# Altium PCB S7CAS-PLEIADES-CARTE-MERE_P07 - BACKUP.PcbDoc (part 1 of 3) (continued)
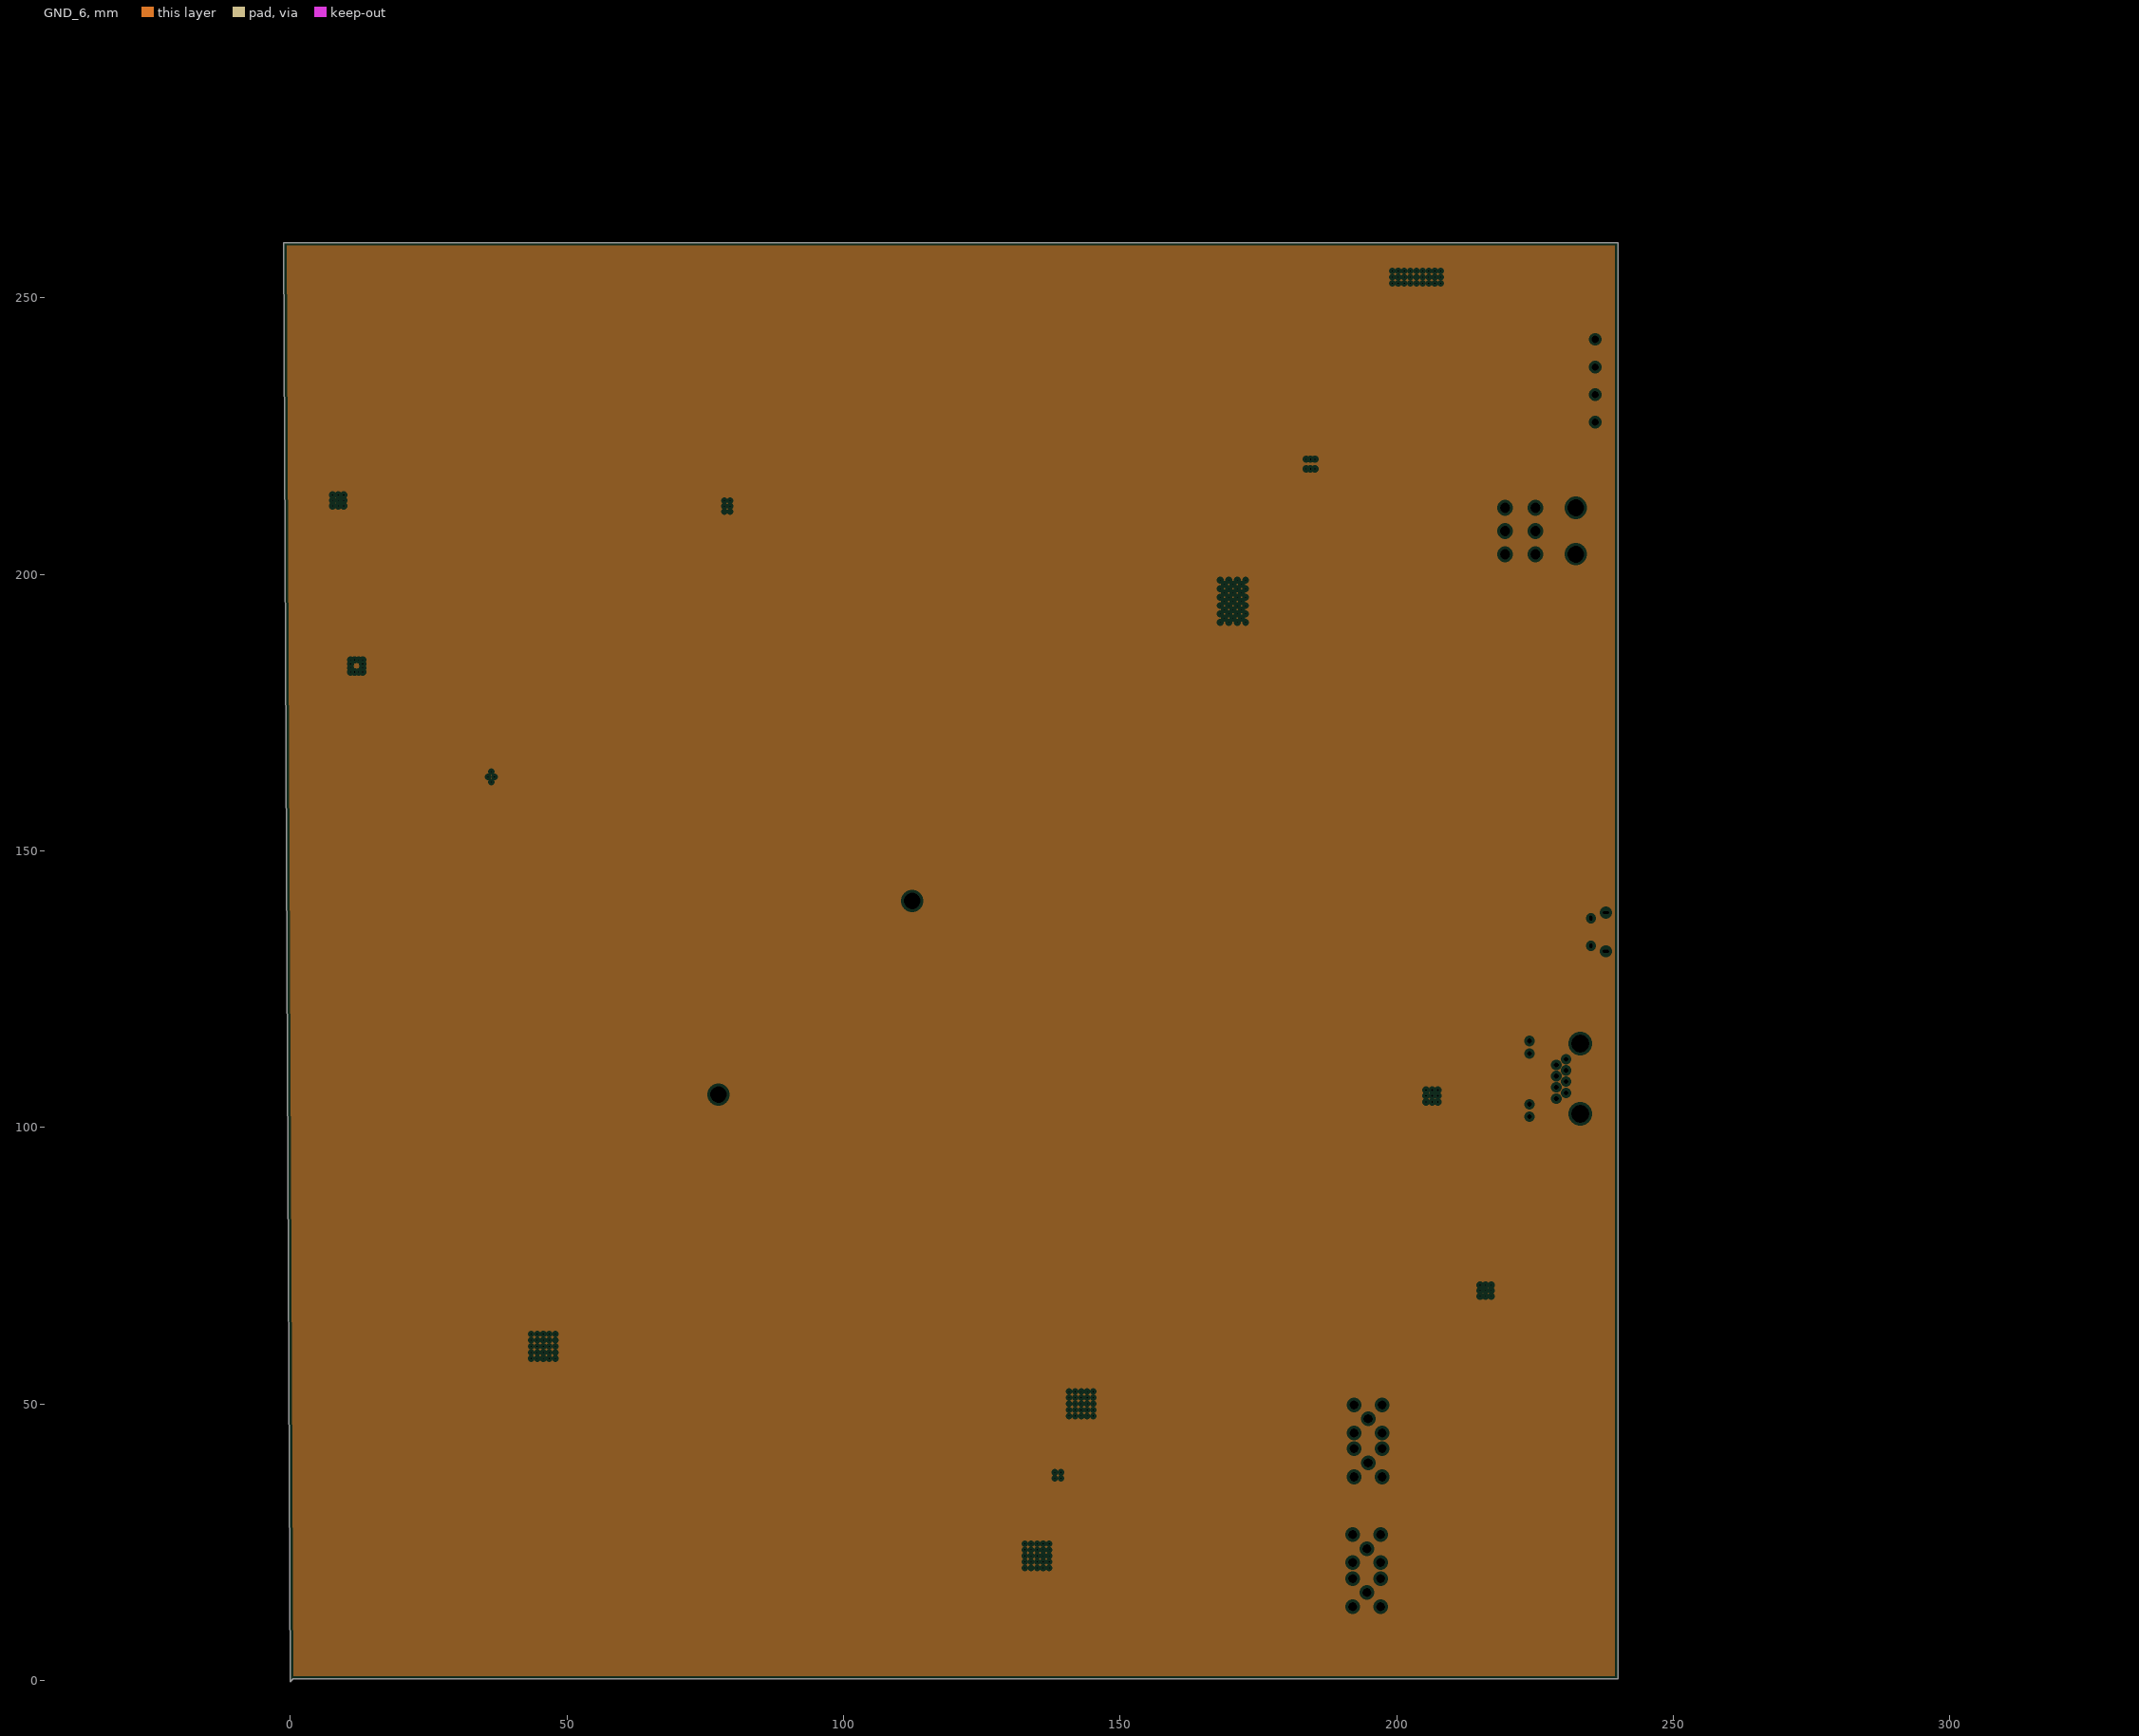
[diagram p11: GND_6, clearances drawn from the general rule]

## Layer stack, top to bottom
Top Solder: solder mask 0.0102, Solder Resist, Dk 3.5
Top: signal copper 0.07
Dielectric 1: prepreg 0.0762, FR-4, Dk 4.3
GND_1: plane copper 0.018
Dielectric 2: core 0.1016, FR-4, Dk 4.3
SIG_1: signal copper 0.018
Dielectric 3: prepreg 0.1016, FR-4, Dk 4.3
GND_2: plane copper 0.018
Dielectric 4: core 0.0762, FR-4, Dk 4.3
PWR_1: plane copper 0.018
Dielectric 5: prepreg 0.0762, FR-4, Dk 4.3
GND_3: plane copper 0.018
Dielectric 6: core 0.0762, FR-4, Dk 4.3
PWR_2: plane copper 0.018
Dielectric 7: prepreg 0.381, FR-4, Dk 4.3
PWR_3: plane copper 0.018
Dielectric 8: core 0.0762, FR-4, Dk 4.3
GND_4: plane copper 0.018
Dielectric 9: prepreg 0.0762, FR-4, Dk 4.3
PWR_4: plane copper 0.018
Dielectric 10: core 0.0762, FR-4, Dk 4.3
GND_5: plane copper 0.018
Dielectric 11: prepreg 0.1016, FR-4, Dk 4.3
SIG_2: signal copper 0.018
Dielectric 12: core 0.1016, FR-4, Dk 4.3
GND_6: plane copper 0.018
Dielectric 13: prepreg 0.0762, FR-4, Dk 4.3
Bottom: signal copper 0.07
Bottom Solder: solder mask 0.0102, Solder Resist, Dk 3.5

## Board outline
0,-0.254 0.508,0.254 240,0.254 240,260 -1.187,260

## Design rules (kind name [scope] priority, off if disabled: settings)
Clearance Clearance_global [All] p1: gap=0.076 ignorepadtopadclearanceinfootprint=FALSE
ComponentClearance [All] p1: gap=0.102 collisioncheckmode=3 verticalgap=0.102 showdistances=TRUE
DiffPairsRouting DIFF_80 [InDifferentialPairClass('DIFF_80_OHM')] p1: maxlimit=0.152 minlimit=0.127 mostfreqgap=0.152 toplayer_maxgap=0.127 toplayer_prefgap=0.127 toplayer_minwidth=0.102 toplayer_maxwidth=0.102 toplayer_prefwidth=0.102 midlayer1_mingap=0.152 midlayer1_minwidth=0.102 midlayer1_maxwidth=0.102 midlayer1_prefwidth=0.102 midlayer2_mingap=0.152 midlayer2_minwidth=0.102 midlayer2_maxwidth=0.102 midlayer2_prefwidth=0.102 bottomlayer_maxgap=0.127 bottomlayer_prefgap=0.127 bottomlayer_minwidth=0.127 bottomlayer_maxwidth=0.127 bottomlayer_prefwidth=0.127 maxuncoupledlength=0.102
DiffPairsRouting DIFF_90_? [InDifferentialPairClass('DIFF_90OHM')] p2: maxlimit=0.254 minlimit=0.102 mostfreqgap=0.254 toplayer_minwidth=0.381 toplayer_maxwidth=0.381 toplayer_prefwidth=0.381 midlayer1_maxgap=0.152 midlayer1_prefgap=0.152 midlayer1_minwidth=0.102 midlayer1_maxwidth=0.102 midlayer1_prefwidth=0.102 midlayer2_maxgap=0.152 midlayer2_prefgap=0.152 midlayer2_minwidth=0.102 midlayer2_maxwidth=0.102 midlayer2_prefwidth=0.102 bottomlayer_minwidth=0.381 bottomlayer_maxwidth=0.381 bottomlayer_prefwidth=0.381 maxuncoupledlength=0.102
DiffPairsRouting DIFF_100 [InDifferentialPairClass('DIFF_100_OHM')] p3: maxlimit=0.305 minlimit=0.203 mostfreqgap=0.305 toplayer_maxgap=0.203 toplayer_prefgap=0.203 toplayer_minwidth=0.076 toplayer_maxwidth=0.076 toplayer_prefwidth=0.076 midlayer1_mingap=0.305 midlayer1_minwidth=0.076 midlayer1_maxwidth=0.076 midlayer1_prefwidth=0.076 midlayer2_mingap=0.305 midlayer2_minwidth=0.076 midlayer2_maxwidth=0.076 midlayer2_prefwidth=0.076 bottomlayer_maxgap=0.203 bottomlayer_prefgap=0.203 bottomlayer_minwidth=0.076 bottomlayer_maxwidth=0.076 bottomlayer_prefwidth=0.076 maxuncoupledlength=0.102
Height [All] p1: minheight=0 maxheight=25.4 prefheight=25.4
HoleSize [All] p1: absolutevalues=TRUE maxlimit=25.4 minlimit=0.152 maxpercent=80.000 minpercent=20.000
MatchedLengths MATCHED_LENGTH_DDR_ADDR [InNetClass('DDR_ADDR')] p1: tolerance=0.025 checknetsindiffpair=FALSE checkdiffpairvsdiffpair=TRUE checkxsignals=TRUE checkothers=TRUE
MatchedLengths MATCHED_LENGTH_DDR_DQ [InNetClass('DDR_DQ')] p2: tolerance=0.025 checknetsindiffpair=FALSE checkdiffpairvsdiffpair=TRUE checkxsignals=TRUE checkothers=TRUE
MatchedLengths MATCHED_LENGTH_DAC [InNetClass('DAC_OUT')] p3: tolerance=0.025 checknetsindiffpair=FALSE checkdiffpairvsdiffpair=TRUE checkxsignals=TRUE checkothers=TRUE
MatchedLengths MATCHED_LENGTH_WITHIN [All] p4 off: tolerance=0.025 checknetsindiffpair=TRUE checkdiffpairvsdiffpair=FALSE checkxsignals=FALSE checkothers=FALSE
MinimumAnnularRing [All] p1: minimumring=0.076
MinimumSolderMaskSliver [All] p1: minsoldermaskwidth=0.076
PlaneClearance [All] p1: clearance=0.508
PlaneConnect [All] p1: pad.planeconnectstyle=Relief pad.reliefexpansion=0.508 pad.reliefentries=4 pad.reliefconductorwidth=0.254 pad.reliefairgap=0.254 via.planeconnectstyle=Direct via.reliefexpansion=0.508 via.reliefentries=4 via.reliefconductorwidth=0.254 via.reliefairgap=0.254
PolygonConnect [All] p1: thpad.connectstyle=Relief thpad.reliefconductorwidth=0.254 thpad.reliefentries=4 thpad.polygonreliefangle="90 Angle" thpad.airgapwidth=0.254 smdpad.connectstyle=Direct smdpad.reliefconductorwidth=0.254 smdpad.reliefentries=4 smdpad.polygonreliefangle="90 Angle" smdpad.airgapwidth=0.254 via.connectstyle=Direct via.reliefconductorwidth=0.254 via.reliefentries=4 via.polygonreliefangle="90 Angle" via.airgapwidth=0.254
RoutingLayers LAYER_SE_50 [InNetClass('SE_50OHM')] p1: top layer_v5=TRUE mid layer 1_v5=FALSE mid layer 2_v5=FALSE bottom layer_v5=TRUE
RoutingLayers [All] p2: top layer_v5=TRUE mid layer 1_v5=TRUE mid layer 2_v5=TRUE bottom layer_v5=TRUE
RoutingVias [All] p1: holewidth=0.152 width=0.305 viastyle="Through Hole" minholewidth=0.152 minwidth=0.305 maxholewidth=0.508 maxwidth=1.27
SilkToSilkClearance [All] p1: silktosilkclearance=0
SilkToSolderMaskClearance [IsPad] p1: minsilkscreentomaskgap=0.051 clearancetoexposedcopper=TRUE
SolderMaskExpansion [All] p1: expansion=0.051 istentingtop=FALSE
Width WIDTH_SE_50 [InNetClass('SE_50OHM')] p1: maxlimit=0.114 minlimit=0.114 preferedwidth=0.114 minimp=50.000000 maximp=50.000000 favimp=50.000000
Width WIDTH_SE_40 [InNetClass('SE_40OHM')] p2: maxlimit=0.178 minlimit=0.102 preferedwidth=0.178 toplayer_minwidth=0.178 midlayer1_maxwidth=0.102 midlayer1_prefwidth=0.102 midlayer2_maxwidth=0.102 midlayer2_prefwidth=0.102 bottomlayer_minwidth=0.178 minimp=50.000000 maximp=50.000000 favimp=50.000000
Width WIDTH_OTHERS [All] p3: maxlimit=25.4 minlimit=0.076 preferedwidth=0.114 minimp=50.000000 maximp=50.000000 favimp=50.000000
20 further rules are at their usual default settings.

## Classes and differential pairs
component class S7CAS-PLEIADES-CARTE-MERE_P07_USB: C151 C152 C153 C154 C155 C156 C157 C158 C159 C160 C161 C162 C163 C164 C165 D5 ISO1 J1 M1 R71 R72 R73 R74 R75 R76 R77 R78 R79 R80 R81 R82 R83 U13
component class S7CAS-PLEIADES-CARTE-MERE_P07_TITLE: FID1 FID2 FID3 HS1 WA1
component class S7CAS-PLEIADES-CARTE-MERE_P07_MOT: C166 C167 C168 C169 C170 C171 C172 C173 C174 C175 D21 D22 D23 D24 J2 Q2 R84 R85 R86 R87 R88 R89 R90 R91 R92 R93 U14
component class S7CAS-PLEIADES-CARTE-MERE_P07_LOW_POWER: C1 C2 C3 C4 C5 C6 C7 C8 C9 C10 C11 C12 C13 C14 C15 C16 C17 C18 C19 C20 C21 C22 C23 C24 C25 R1 R2 R3 R4 R5 R6 R7 R8 R9 R10 R11 R12 R13 U1 U2 U3 U4 U5 U6
component class S7CAS-PLEIADES-CARTE-MERE_P07_HIGH_POWER: C244 C245 C246 C247 C248 C249 C250 C251 C252 C253 C254 C255 C256 C257 C258 C259 C260 C261 C262 C263 C264 C265 D12 D13 D14 D15 D16 D17 D18 D19 D20 F1 J8 Q3 R156 R157 R158 R159 R160 R161 R162 R163 R164 R165 R166 R167 R168 R169 R170 R171 R172 R173 R174 R175 R176 U20 U21 U22 U23 U24 U25
component class S7CAS-PLEIADES-CARTE-MERE_P07_FPGA_MISC: C60 C61 C62 C63 C64 C65 C66 C67 C68 C69 C70 C71 C72 C73 C74 C75 C76 C77
component class S7CAS-PLEIADES-CARTE-MERE_P07_FPGA_4-5: C52 C53 C54 C55 C56 C57 C58 C59
component class S7CAS-PLEIADES-CARTE-MERE_P07_FPGA_3: C47 C48 C49 C50 C51
component class S7CAS-PLEIADES-CARTE-MERE_P07_FPGA_2: C36 C37 C38 C39 C40 C41 C42 C43 C44 C45 C46 D1 D2 D3 D4 Q1 R14 R15 R16 R17 R18 R19 R20 R21 R22 R23 R24 R25 R26 R27 R28 R29 R30 R31 R32 R33 S1 S2 S3 U8 U9 U10
component class S7CAS-PLEIADES-CARTE-MERE_P07_FPGA_1: C31 C32 C33 C34 C35
component class S7CAS-PLEIADES-CARTE-MERE_P07_FPGA_0: C26 C27 C28 C29 C30 R177 R178 U7
component class S7CAS-PLEIADES-CARTE-MERE_P07_ETH: C176 C177 C178 C179 C180 C181 C182 C183 C184 C185 C186 C187 D6 D7 D25 D26 D27 D28 J3 L6 R94 R95 R96 R97 R98 R99 R100 R101 R102 R103 R104 R105 R106 R107 R108 R109 R110 R111 R112 R113 R114 T1 U15 Y2
component class S7CAS-PLEIADES-CARTE-MERE_P07_DDR: C120 C121 C122 C123 C124 C125 C126 C127 C128 C129 C130 C131 C132 C133 C134 C135 C136 C137 C138 C139 C140 C141 C142 C143 C144 C145 C146 C147 C148 C149 C150 C266 C267 C268 C269 C270 C271 R41 R42 R43 R44 R45 R46 R47 R48 R49 R50 R51 R52 R53 R54 R55 R56 R57 R58 R59 R62 R63 R64 R65 R66 R67 R68 R69 R70 U12
component class S7CAS-PLEIADES-CARTE-MERE_P07_DAC: C222 C223 C224 C225 C226 C227 C228 C229 C230 C231 C232 C233 C234 C235 C236 C237 C238 C239 C240 C241 C242 C243 D10 D11 J6 J7 L11 L12 L13 L14 L15 R133 R134 R135 R136 R137 R138 R139 R140 R141 R142 R143 R144 R145 R146 R147 R148 R149 R150 R151 R152 R153 R154 R155 U18 U19
component class S7CAS-PLEIADES-CARTE-MERE_P07_CLOCK: C78 C79 C80 C81 C82 C83 C84 C85 C86 C87 C88 C89 C90 C91 C92 C93 C94 C95 C96 C97 C98 C99 C100 C101 C102 C103 C104 C105 C106 C107 C108 C109 C110 C111 C112 C113 C114 C115 C116 C117 C118 C119 L1 L2 L3 L4 L5 R34 R35 R36 R37 R38 R39 R40 U11 Y1
component class S7CAS-PLEIADES-CARTE-MERE_P07_ADC: C188 C189 C190 C191 C192 C193 C194 C195 C196 C197 C198 C199 C200 C201 C202 C203 C204 C205 C206 C207 C208 C209 C210 C211 C212 C213 C214 C215 C216 C217 C218 C219 C220 C221 D8 D9 J4 J5 L7 L8 L9 L10 R60 R61 R115 R116 R117 R118 R119 R120 R121 R122 R123 R124 R125 R126 R127 R128 R129 R130 R131 R132 RF1 RF2 RG1 RG2 U16 U17
net class DDR_DQ: DRAM_DQ0 DRAM_DQ1 DRAM_DQ2 DRAM_DQ3 DRAM_DQ4 DRAM_DQ5 DRAM_DQ6 DRAM_DQ7 DRAM_DQ8 DRAM_DQ9 DRAM_DQ10 DRAM_DQ11 DRAM_DQ12 DRAM_DQ13 DRAM_DQ14 DRAM_DQ15 DRAM_LDQS_N DRAM_LDQS_P DRAM_UDQS_N DRAM_UDQS_P
net class DDR_ADDR: DRAM_A0 DRAM_A1 DRAM_A2 DRAM_A3 DRAM_A4 DRAM_A5 DRAM_A6 DRAM_A7 DRAM_A8 DRAM_A9 DRAM_A10 DRAM_A11 DRAM_A12 DRAM_A13 DRAM_BA0 DRAM_BA1 DRAM_BA2
differential pair class DIFF_100_OHM: DA0 DA2 DA4 DA6 DA8 DA10 DA12 DAC_D0 DAC_D1 DAC_D2 DAC_D3 DAC_D4 DAC_D5 DAC_D6 DAC_D7 DAC_DCI DAC_FRAME DB0 DB2 DB4 DB6 DB8 DB10 DB12
differential pair class DIFF_90OHM: USB_IN USB_IN_DIR USB_ISO USB_ISO_DIR
differential pair class DIFF_80_OHM: DRAM_CK DRAM_LDQS DRAM_UDQS
net class SE_50OHM: CONFIG_CCLK ETH_COL ETH_CRS ETH_INTER ETH_MDC ETH_MDIO ETH_RXC ETH_RXD0 ETH_RXD1 ETH_RXD2 ETH_RXD3 ETH_RXDV ETH_RXER ETH_TXC ETH_TXD0 ETH_TXD1 ETH_TXD2 ETH_TXD3 ETH_TXEN ETH_TXER
net class SE_40OHM: DRAM_A0 DRAM_A1 DRAM_A2 DRAM_A3 DRAM_A4 DRAM_A5 DRAM_A6 DRAM_A7 DRAM_A8 DRAM_A9 DRAM_A10 DRAM_A11 DRAM_A12 DRAM_A13 DRAM_BA0 DRAM_BA1 DRAM_BA2 DRAM_CAS# DRAM_CKE DRAM_DQ0 DRAM_DQ1 DRAM_DQ2 DRAM_DQ3 DRAM_DQ4 DRAM_DQ5 DRAM_DQ6 DRAM_DQ7 DRAM_DQ8 DRAM_DQ9 DRAM_DQ10 DRAM_DQ11 DRAM_DQ12 DRAM_DQ13 DRAM_DQ14 DRAM_DQ15 DRAM_LDM DRAM_ODT DRAM_RAS# DRAM_UDM DRAM_WE#
net class DIFF_100_OHM: ADC_CLKIN_DIR_N ADC_CLKIN_DIR_P CLK_100MHz_N CLK_100MHz_P CLK_125M_N CLK_125M_P CLK_200MHz_N CLK_200MHz_P CLK_400MHz_N CLK_400MHz_P DAC_REFCLK_DIR_N DAC_REFCLK_DIR_P RX_CHIP_N RX_CHIP_P RX_MAG_N RX_MAG_P TX_CHIP_N TX_CHIP_P TX_MAG_N TX_MAG_P
net class DAC_OUT: ADC_CLKOUT_N ADC_CLKOUT_P DA0_N DA0_P DA2_N DA2_P DA4_N DA4_P DA6_N DA6_P DA8_N DA8_P DA10_N DA10_P DA12_N DA12_P DB0_N DB0_P DB2_N DB2_P DB4_N DB4_P DB6_N DB6_P DB8_N DB8_P DB10_N DB10_P DB12_N DB12_P
differential pair USB_ISO: +USB_ISO_P -USB_ISO_N
differential pair USB_ISO_DIR: +USB_ISO_DIR_P -USB_ISO_DIR_N
differential pair USB_IN: +USB_IN_P -USB_IN_N
differential pair USB_IN_DIR: +USB_IN_DIR_P -USB_IN_DIR_N
differential pair TX_MAG: +TX_MAG_P -TX_MAG_N
differential pair TX_CHIP: +TX_CHIP_P -TX_CHIP_N
differential pair RX_MAG: +RX_MAG_P -RX_MAG_N
differential pair RX_CHIP: +RX_CHIP_P -RX_CHIP_N
differential pair DRAM_UDQS: +DRAM_UDQS_P -DRAM_UDQS_N
differential pair DRAM_LDQS: +DRAM_LDQS_P -DRAM_LDQS_N
differential pair DRAM_CK: +DRAM_CK_P -DRAM_CK_N
differential pair DB12: +DB12_P -DB12_N
differential pair DB10: +DB10_P -DB10_N
differential pair DB8: +DB8_P -DB8_N
differential pair DB6: +DB6_P -DB6_N
differential pair DB4: +DB4_P -DB4_N
differential pair DB2: +DB2_P -DB2_N
differential pair DB0: +DB0_P -DB0_N
differential pair DAC_REFCLK_DIR: +DAC_REFCLK_DIR_P -DAC_REFCLK_DIR_N
differential pair DAC_FRAME: +DAC_FRAME_P -DAC_FRAME_N
differential pair DAC_DCI: +DAC_DCI_P -DAC_DCI_N
differential pair DAC_D7: +DAC_D7_P -DAC_D7_N
differential pair DAC_D6: +DAC_D6_P -DAC_D6_N
differential pair DAC_D5: +DAC_D5_P -DAC_D5_N
differential pair DAC_D4: +DAC_D4_P -DAC_D4_N
differential pair DAC_D3: +DAC_D3_P -DAC_D3_N
differential pair DAC_D2: +DAC_D2_P -DAC_D2_N
differential pair DAC_D1: +DAC_D1_P -DAC_D1_N
differential pair DAC_D0: +DAC_D0_P -DAC_D0_N
differential pair DA12: +DA12_P -DA12_N
differential pair DA10: +DA10_P -DA10_N
differential pair DA8: +DA8_P -DA8_N
differential pair DA6: +DA6_P -DA6_N
differential pair DA4: +DA4_P -DA4_N
differential pair DA2: +DA2_P -DA2_N
differential pair DA0: +DA0_P -DA0_N
differential pair CLK_400MHz: +CLK_400MHz_P -CLK_400MHz_N
differential pair CLK_200MHz: +CLK_200MHz_P -CLK_200MHz_N
differential pair CLK_125M: +CLK_125M_P -CLK_125M_N
differential pair CLK_100MHz: +CLK_100MHz_P -CLK_100MHz_N
differential pair ADCIN_B: +ADCIN_B_P -ADCIN_B_N
differential pair ADCIN_A: +ADCIN_A_P -ADCIN_A_N
differential pair ADC_CLKIN_DIR: +ADC_CLKIN_DIR_P -ADC_CLKIN_DIR_N

## Components (designator, comment, footprint, x,y, rotation, side; value= is the part's Value field where it differs from the comment)
C1 "MAL214699501E3" CAP_ALU_1010_VISHAY 87.766,180.086 r0 top value=330uF
C2 "CAP - TANTALUM - CASE D" CAP_TAN_2917(D) 30.281,182.337 r90 top value=220uF
C3 "CAP - 1210" CAP_1210 24.694,183.134 r270 top value=47uF
C4 "CAP - 0603" CAP_0603 15.85,189.23 r180 top value=1uF
C5 "CAP - 1210" CAP_1210 11.472,191.77 r0 top value=47uF
C6 "CAP - TANTALUM - CASE D" CAP_TAN_2917(D) 13.832,173.99 r180 top value=330uF
C7 "CAP - 1210" CAP_1210 77.646,183.134 r0 top value=100uF
C8 "EEE-FKC151XAP" CAP_ALU_D8 80.806,176.022 r0 top value=150uF
C9 "CAP - 0402" CAP_0402 100.488,198.945 r270 top value=100nF
C10 "CAP - 0402" CAP_0402 98.507,195.964 r90 top value=1nF
C11 "CAP - 0402" CAP_0402 97.415,195.519 r90 top value=10nF
C12 "MAL214699501E3" CAP_ALU_1010_VISHAY 114.3,183.134 r0 top value=330uF
C13 "CAP - 1210" CAP_1210 147.828,179.324 r0 top value=100uF
C14 "EEE-FKC151XAP" CAP_ALU_D8 150.528,185.674 r0 top value=150uF
C15 "CAP - 0805" CAP_0805 42.3,164.326 r0 top value=4.7uF
C16 "CAP - 0402" CAP_0402 11.403,160.02 r90 top value=100nF
C17 "CAP - 0805" CAP_0805 43.568,168.71 r0 top value=10uF
C18 "CAP - 0805" CAP_0805 39.784,168.71 r0 top value=10uF
C19 "CAP - 0805" CAP_0805 35.999,168.71 r0 top value=10uF
C20 "CAP - 0402" CAP_0402 11.606,152.146 r90 top value=1nF
C21 "CAP - 0402" CAP_0402 10.514,152.273 r90 top value=10nF
C22 "CAP - 0805" CAP_0805 41.968,158.296 r0 top value=10uF
C23 "CAP - 0805" CAP_0805 38.184,158.296 r0 top value=10uF
C24 "CAP - 0402" CAP_0402 39.862,162.376 r90 top value=1nF
C25 "CAP - 0402" CAP_0402 35.745,158.106 r90 top value=100nF
C26 "CAP - 1210" CAP_1210 45.801,124.982 r0 top value=100uF
C27 "CAP - 0805" CAP_0805 41.168,125.744 r0 top value=4.7uF
C28 "CAP - 0402" CAP_0402 38.729,125.998 r90 top value=470nF
C29 "CAP - 0402" CAP_0402 37.637,125.998 r90 top value=470nF
C30 "CAP - 0402" CAP_0402 36.545,125.998 r90 top value=470nF
C31 "CAP - 1210" CAP_1210 53.977,132.856 r0 top value=100uF
C32 "CAP - 0805" CAP_0805 49.343,133.618 r0 top value=4.7uF
C33 "CAP - 0402" CAP_0402 46.905,133.872 r90 top value=470nF
C34 "CAP - 0402" CAP_0402 45.812,133.872 r90 top value=470nF
C35 "CAP - 0402" CAP_0402 44.72,133.872 r90 top value=470nF
C36 "CAP - 0402" CAP_0402 118.202,213.22 r90 top value=100nF
C37 "CAP - 1210" CAP_1210 234.715,168.212 r90 top value=100uF
C38 "CAP - 0805" CAP_0805 233.929,174.054 r90 top value=4.7uF
C39 "CAP - 0402" CAP_0402 231.744,178.372 r180 top value=470nF
C40 "CAP - 0402" CAP_0402 231.744,181.166 r180 top value=470nF
C41 "CAP - 0402" CAP_0402 231.744,184.976 r180 top value=470nF
C42 "CAP - 0402" CAP_0402 118.202,204.089 r90 top value=100nF
C43 "CAP - 0603" CAP_0603 158.446,179.812 r180 top value=1uF
C44 "CAP - 0603" CAP_0603 184.656,167.239 r90 top value=1uF
C45 "CAP - 0603" CAP_0603 182.729,168.636 r90 top value=1uF
C46 "CAP - 0402" CAP_0402 217.302,180.574 r90 top value=100nF
C47 "CAP - 1210" CAP_1210 33.257,126.252 r0 top value=100uF
C48 "CAP - 0805" CAP_0805 28.623,127.014 r0 top value=4.7uF
C49 "CAP - 0402" CAP_0402 26.185,127.268 r90 top value=470nF
C50 "CAP - 0402" CAP_0402 25.093,127.268 r90 top value=470nF
C51 "CAP - 0402" CAP_0402 24,127.268 r90 top value=470nF
C52 "CAP - 1210" CAP_1210 41.433,134.126 r0 top value=100uF
C53 "CAP - 0805" CAP_0805 36.799,134.888 r0 top value=4.7uF
C54 "CAP - 0402" CAP_0402 34.36,135.142 r90 top value=470nF
C55 "CAP - 0402" CAP_0402 33.268,135.142 r90 top value=470nF
C56 "CAP - 1210" CAP_1210 29.981,134.126 r0 top value=100uF
C57 "CAP - 0805" CAP_0805 25.347,134.888 r0 top value=4.7uF
C58 "CAP - 0402" CAP_0402 22.908,135.142 r90 top value=470nF
C59 "CAP - 0402" CAP_0402 21.816,135.142 r90 top value=470nF
C60 "CAP - 1210" CAP_1210 64.823,142 r0 top value=100uF
C61 "CAP - 0805" CAP_0805 60.189,142.762 r0 top value=4.7uF
C62 "CAP - 0805" CAP_0805 56.404,142.762 r0 top value=4.7uF
C63 "CAP - 0402" CAP_0402 53.966,143.016 r90 top value=470nF
C64 "CAP - 0402" CAP_0402 52.874,143.016 r90 top value=470nF
C65 "CAP - 0402" CAP_0402 51.781,143.016 r90 top value=470nF
C66 "CAP - 0402" CAP_0402 50.689,143.016 r90 top value=470nF
C67 "CAP - 1210" CAP_1210 47.402,142 r0 top value=100uF
C68 "CAP - 1210" CAP_1210 41.919,142 r0 top value=100uF
C69 "CAP - 0805" CAP_0805 37.285,142.762 r0 top value=4.7uF
C70 "CAP - 0805" CAP_0805 33.5,142.762 r0 top value=4.7uF
C71 "CAP - 0805" CAP_0805 29.715,142.762 r0 top value=4.7uF
C72 "CAP - 0402" CAP_0402 27.277,143.016 r90 top value=470nF
C73 "CAP - 0402" CAP_0402 26.185,143.016 r90 top value=470nF
C74 "CAP - 0402" CAP_0402 25.093,143.016 r90 top value=470nF
C75 "CAP - 0402" CAP_0402 24,143.016 r90 top value=470nF
C76 "CAP - 0402" CAP_0402 22.908,143.016 r90 top value=470nF
C77 "CAP - 0402" CAP_0402 21.816,143.016 r90 top value=470nF
C78 "CAP - 1206" CAP_1206 69.159,61.941 r90 top value=22uF
C79 "CAP - 0805" CAP_0805 66.593,62.607 r90 top value=10uF
C80 "CAP - 0402" CAP_0402 64.853,63.433 r90 top value=100nF
C81 "CAP - 0402" CAP_0402 63.761,63.433 r90 top value=10nF
C82 "CAP - 1206" CAP_1206 65.996,52.774 r90 top value=22uF
C83 "CAP - 0805" CAP_0805 63.431,53.536 r90 top value=10uF
C84 "CAP - 0402" CAP_0402 60.459,54.436 r90 top value=100nF
C85 "CAP - 0402" CAP_0402 59.367,54.387 r90 top value=10nF
C86 "CAP - 0603" CAP_0603 44.294,78.428 r0 top value=1uF
C87 "CAP - 0402" CAP_0402 41.667,77.92 r0 top value=10nF
C88 "CAP - 1206" CAP_1206 61.843,65.22 r90 top value=22uF
C89 "CAP - 0805" CAP_0805 59.278,65.728 r90 top value=10uF
C90 "CAP - 0402" CAP_0402 57.538,66.49 r90 top value=100nF
C91 "CAP - 0402" CAP_0402 56.446,66.49 r90 top value=10nF
C92 "CAP - 1206" CAP_1206 63.063,58.249 r90 top value=22uF
C93 "CAP - 0805" CAP_0805 60.497,58.858 r90 top value=10uF
C94 "CAP - 0402" CAP_0402 58.757,59.747 r90 top value=100nF
C95 "CAP - 0402" CAP_0402 57.665,59.709 r90 top value=10nF
C96 "CAP - 1206" CAP_1206 54.528,66.414 r90 top value=22uF
C97 "CAP - 0805" CAP_0805 51.963,67.252 r90 top value=10uF
C98 "CAP - 0402" CAP_0402 47.623,68.204 r90 top value=100nF
C99 "CAP - 0402" CAP_0402 46.531,68.204 r90 top value=10nF
C100 "CAP - 0805" CAP_0805 57.627,55.919 r90 top
C101 "CAP - 0805" CAP_0805 55.239,56.165 r90 top
C102 "CAP - 0201" CAP_0201 61.742,51.733 r90 top value=100nF
C103 "CAP - 0201" CAP_0201 60.751,51.733 r90 top value=100nF
C104 "CAP - 0201" CAP_0201 59.761,51.733 r90 top value=100nF
C105 "CAP - 0201" CAP_0201 58.77,51.733 r90 top value=100nF
C106 "CAP - 0201" CAP_0201 57.779,51.733 r90 top value=100nF
C107 "CAP - 0201" CAP_0201 56.789,51.733 r90 top value=100nF
C108 "CAP - 0201" CAP_0201 55.798,51.733 r90 top value=100nF
C109 "CAP - 0201" CAP_0201 54.808,50.337 r90 top value=100nF
C110 "CAP - 0201" CAP_0201 53.817,50.337 r90 top value=100nF
C111 "CAP - 0201" CAP_0201 52.826,50.337 r90 top value=100nF
C112 "CAP - 0201" CAP_0201 51.836,50.337 r90 top value=100nF
C113 "CAP - 0201" CAP_0201 50.845,50.337 r90 top value=100nF
C114 "CAP - 0201" CAP_0201 49.855,50.337 r90 top value=100nF
C115 "CAP - 0805" CAP_0805 48.166,51.518 r90 top value=10uF
C116 "CAP - 0805" CAP_0805 45.778,51.518 r90 top value=10uF
C117 "CAP - 0603" CAP_0603 43.621,51.263 r90 top value=1uF
C118 "CAP - 0201" CAP_0201 42.162,50.337 r90 top value=100nF
C119 "CAP - 0201" CAP_0201 41.171,50.337 r90 top value=100nF
C120 "CAP - 0402" CAP_0402 29.818,83.796 r90 top value=470pF
C121 "CAP - 0402" CAP_0402 28.725,83.796 r90 top value=100nF
C122 "CAP - 0402" CAP_0402 27.633,83.796 r90 top value=100nF